# Altium PCB PCB1.PcbDoc (part 1 of 2) (continued)
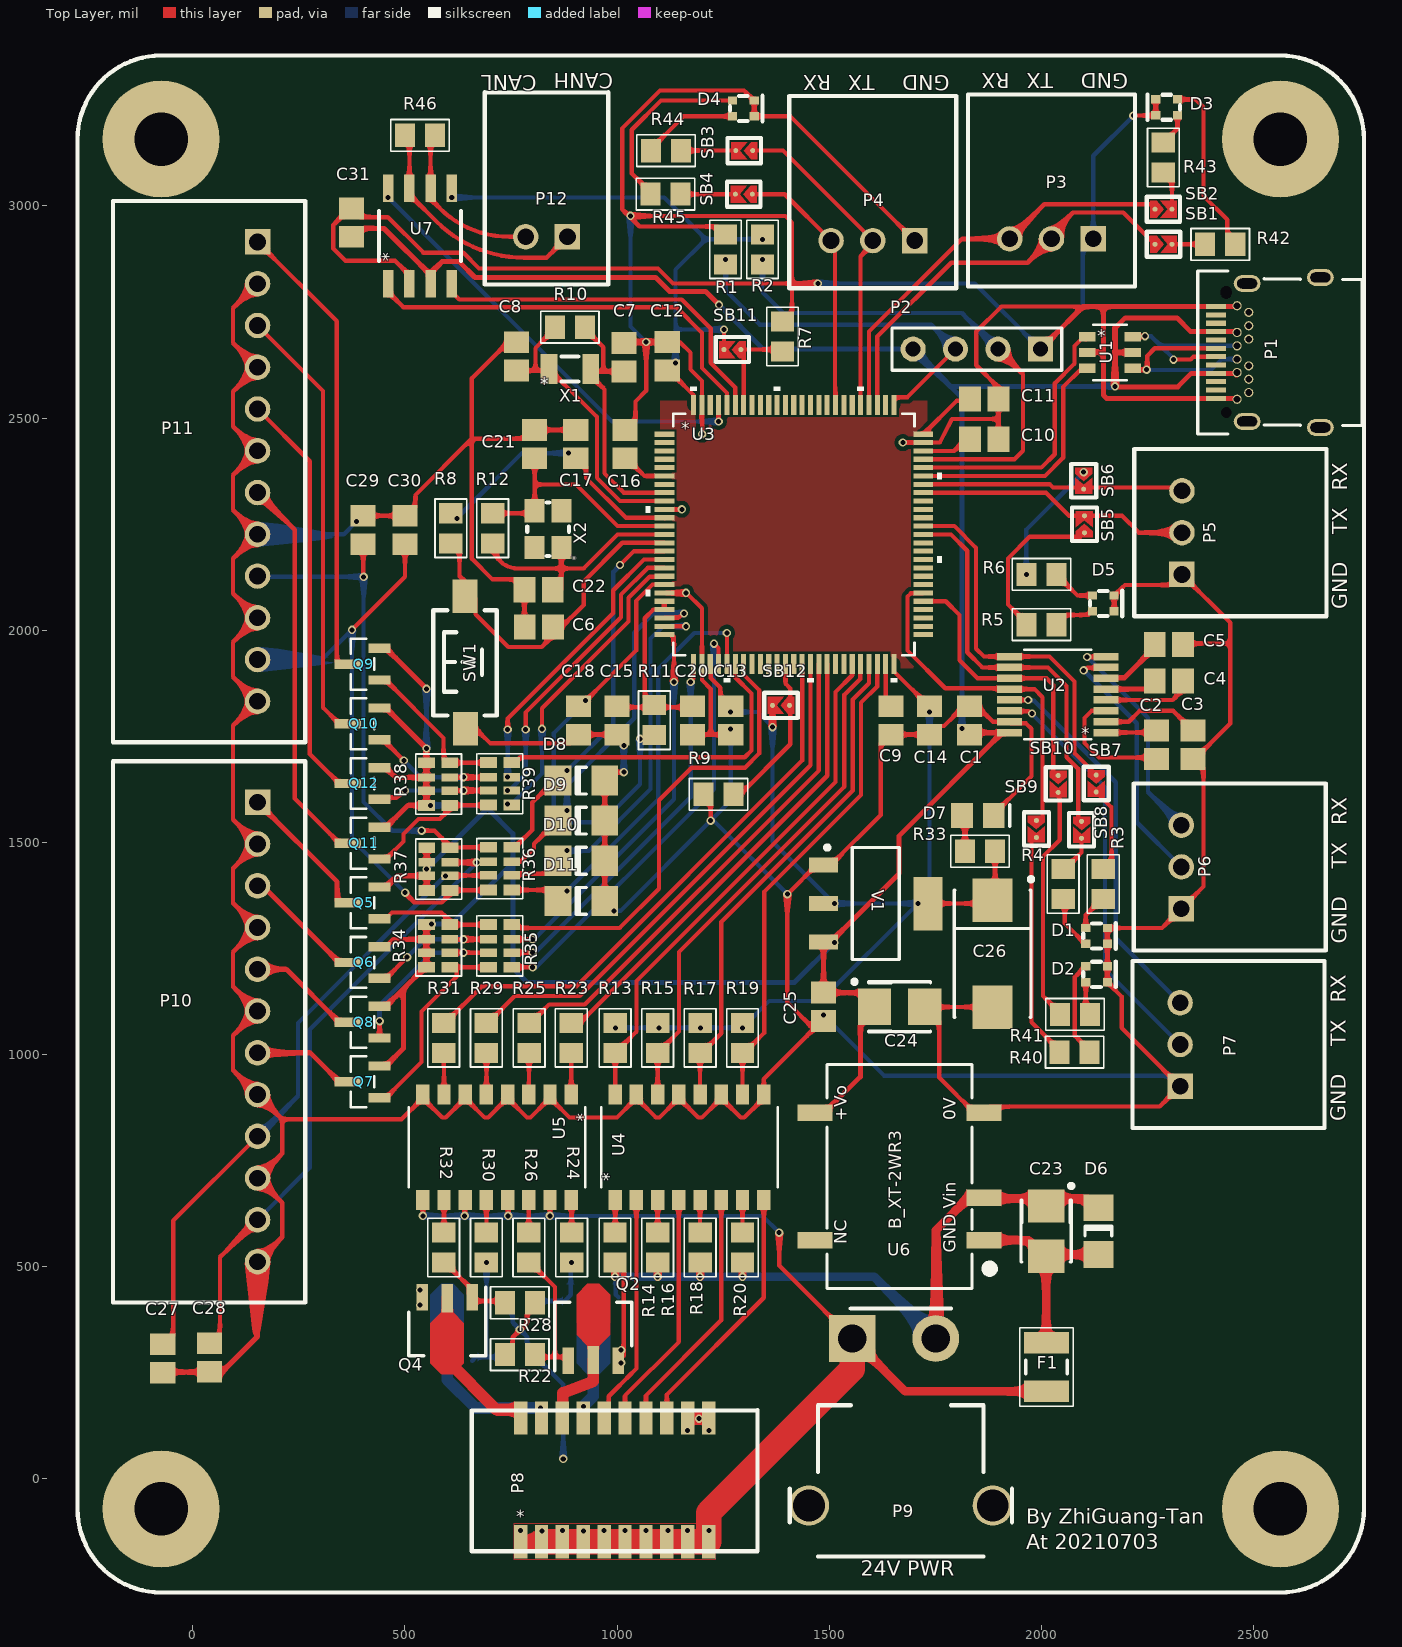
[diagram p0: Top Layer view]
## Footprints (in the part's own frame and the unit in brackets; to place one, negate y for a bottom-side part, rotate by r counter-clockwise, add the part's x,y. Pads: shape width x height; smd on the part's side, far side on the other; paste and mask are expansions set on the pad)
B_XT-2WR3 [mm]
  rect 1x2.1 smd: 1(-3.81,-5.05) 2(-1.27,-5.05) 4(3.81,-5.05) 5(3.81,5.05) 8(-3.81,5.05)
  silkscreen extent -6.7,-5.64 6.7,4.35, body extent -6.6,-5.75 6.6,5.65, height 7.2
"CAP 0805" [mm] "Chip Capacitor, Body 2.0x1.3mm, IPC Medium Density"
  rect 1.3x1.5 smd: 1(-0.85,0) 2(0.85,0)
  body extent -1,-0.61 1,0.61, height 0.51
CD2012-0805 [mm] "Chip Diode; Body 2.0 x 1.3 mm (LxW typ)"
  rect 1.3x1.5 smd: 1(-0.95,0) 2(0.95,0)
  silkscreen extent 1.9,-0.65 1.9,0.65, body extent -1,-0.63 1,0.63, height 0.8
CD3216-1206 [mm] "Chip Diode; Body 3.2 x 1.6 mm (LxW typ)"
  rect 1.6x1.8 smd: 1(-1.4,0) 2(1.4,0)
  silkscreen extent -0.3,-0.8 0.3,0.8, body extent -1.62,-0.82 1.65,0.83, height 0.9
HDR1X4 [mm]
  rect 1.5x1.5 hole 0.9: 1(0,0)
  round 1.5 hole 0.9: 2(2.54,0) 3(5.08,0) 4(7.62,0)
  silkscreen extent -1.27,-1.27 8.89,1.27
LED-1615 [mm] "Two seperate LEDs packed together"
  rect 0.5x0.55 smd: 1(-0.475,-0.65) 2(0.475,-0.65) 3(0.475,0.65) 4(-0.475,0.65)
  silkscreen extent -0.76,-1.14 0.76,0.8
LQFP100-14×14mm [mil]
  rect 47x12 smd paste+0 mask+0: 1(-305.12,236.22) 2(-305.12,216.54) 3(-305.12,196.85) 4(-305.12,177.17) 5(-305.12,157.48) 6(-305.12,137.8) 7(-305.12,118.11) 8(-305.12,98.43) 9(-305.12,78.74) 10(-305.12,59.06) 11(-305.12,39.37) 12(-305.12,19.69) 13(-305.12,0) 14(-305.12,-19.69) 15(-305.12,-39.37) 16(-305.12,-59.06) 17(-305.12,-78.74) 18(-305.12,-98.43) 19(-305.12,-118.11) 20(-305.12,-137.8) 21(-305.12,-157.48) 22(-305.12,-177.17) 23(-305.12,-196.85) 24(-305.12,-216.54) 25(-305.12,-236.22) 51(305.12,-236.22) 52(305.12,-216.54) 53(305.12,-196.85) 54(305.12,-177.17) 55(305.12,-157.48) 56(305.12,-137.8) 57(305.12,-118.11) 58(305.12,-98.43) 59(305.12,-78.74) 60(305.12,-59.06) 61(305.12,-39.37) 62(305.12,-19.69) 63(305.12,0) 64(305.12,19.69) 65(305.12,39.37) 66(305.12,59.06) 67(305.12,78.74) 68(305.12,98.43) 69(305.12,118.11) 70(305.12,137.8) 71(305.12,157.48) 72(305.12,177.17) 73(305.12,196.85) 74(305.12,216.54) 75(305.12,236.22)
  rect 12x47 smd paste+0 mask+0: 26(-236.22,-305.12) 27(-216.54,-305.12) 28(-196.85,-305.12) 29(-177.17,-305.12) 30(-157.48,-305.12) 31(-137.8,-305.12) 32(-118.11,-305.12) 33(-98.43,-305.12) 34(-78.74,-305.12) 35(-59.06,-305.12) 36(-39.37,-305.12) 37(-19.68,-305.12) 38(0,-305.12) 39(19.68,-305.12) 40(39.37,-305.12) 41(59.06,-305.12) 42(78.74,-305.12) 43(98.43,-305.12) 44(118.11,-305.12) 45(137.8,-305.12) 46(157.48,-305.12) 47(177.17,-305.12) 48(196.85,-305.12) 49(216.54,-305.12) 50(236.22,-305.12) 76(236.22,305.12) 77(216.54,305.12) 78(196.85,305.12) 79(177.17,305.12) 80(157.48,305.12) 81(137.8,305.12) 82(118.11,305.12) 83(98.43,305.12) 84(78.74,305.12) 85(59.06,305.12) 86(39.37,305.12) 87(19.68,305.12) 88(0,305.12) 89(-19.68,305.12) 90(-39.37,305.12) 91(-59.06,305.12) 92(-78.74,305.12) 93(-98.43,305.12) 94(-118.11,305.12) 95(-137.8,305.12) 96(-157.48,305.12) 97(-177.17,305.12) 98(-196.85,305.12) 99(-216.54,305.12) 100(-236.22,305.12)
  silkscreen extent -349,-349 349,349, body extent -315,-315 315,315, height 63
"MOLEX 53426-0210" [mil]
  rect 60x60 hole 39.37: 1(-49.21,0)
  round 60 hole 39.37: 2(49.21,0)
  silkscreen extent -146,-341 146,112
"MOLEX 53426-0310" [mil]
  rect 60x60 hole 39.37: 1(-98.43,0)
  round 60 hole 39.37: 2(0,0) 3(98.43,0)
  silkscreen extent -197,-341 197,112
"MOLEX 53426-1210" [mil]
  rect 60x60 hole 39.37: 1(-541.34,0)
  round 60 hole 39.37: 2(-442.91,0) 3(-344.49,0) 4(-246.06,0) 5(-147.64,0) 6(-49.21,0) 7(49.21,0) 8(147.64,0) 9(246.06,0) 10(344.49,0) 11(442.91,0) 12(541.34,0)
  silkscreen extent -638,-341 638,112
"MOLEX 505448-2071" [mm]
  rect 0.8x2 smd: 1(-5.625,-3.7) 2(-5.625,3.7) 2(-5.625,3.7) 3(-4.375,-3.7) 4(-4.375,3.7) 5(-3.125,-3.7) 6(-3.125,3.7) 7(-1.875,-3.7) 8(-1.875,3.7) 9(-0.625,-3.7) 10(-0.625,3.7) 11(0.625,-3.7) 12(0.625,3.7) 13(1.875,-3.7) 14(1.875,3.7) 15(3.125,-3.7) 16(3.125,3.7) 17(4.375,-3.7) 18(4.375,3.7) 19(5.625,-3.7) 20(5.625,3.7)
  silkscreen extent -8.55,-4.28 8.55,4.17, body extent -8.57,-4.5 8.53,4.35, height 8.98
"RES 0603 4PACK" [mm] "8P4R"
  rect 1x0.65 smd: 1(-0.7,1.275) 4(-0.7,-1.275) 5(0.7,-1.275) 8(0.7,1.275)
  rect 1x0.5 smd: 2(-0.7,0.4) 3(-0.7,-0.4) 6(0.7,-0.4) 7(0.7,0.4)
  silkscreen extent -1.4,-1.8 1.35,1.8, body extent -0.65,-1.5 0.45,1.5, height 0.4
"RES 0805" [mm] "Chip Resistor, Body 2.0x1.3mm, IPC Medium Density"
  rect 1.2x1.4 smd: 1(-0.9,0) 2(0.9,0)
  silkscreen extent -1.75,-0.95 1.75,0.95, body extent -1,-0.62 1,0.62, height 0.5
"RES 1210" [mm] "Chip Resistor, Body 3.2x2.5mm, IPC Medium Density"
  rect 1.3x2.7 smd: 1(-1.45,0) 2(1.45,0)
  silkscreen extent -2.35,-1.6 2.35,1.6, body extent -1.68,-1.32 1.68,1.32, height 0.71
SO-8 [mil]
  rect 65x25 smd: 1(-112.2,75) 2(-112.2,25) 3(-112.2,-25) 4(-112.2,-75) 5(112.2,-75) 6(112.2,-25) 7(112.2,25) 8(112.2,75)
  silkscreen extent -59,-96 59,96
SO-16 [mm]
  rect 1.2x0.8 smd paste+0 mask+0: 1(-3.15,4.445) 2(-3.15,3.175) 3(-3.15,1.905) 4(-3.15,0.635) 5(-3.15,-0.635) 6(-3.15,-1.905) 7(-3.15,-3.175) 8(-3.15,-4.445) 9(3.15,-4.445) 10(3.15,-3.175) 11(3.15,-1.905) 12(3.15,-0.635) 13(3.15,0.635) 14(3.15,1.905) 15(3.15,3.175) 16(3.15,4.445)
  silkscreen extent -2.4,-5.28 2.4,5.28, body extent 0,0 0.25,0.25, height 0.25
"Solder Bridge" [mm]
  round 0.3 smd: 1(-0.508,0) 2(0.508,0)
  Top Layer region: -0.787,0.508 0.178,0.508 -0.254,0 0.178,-0.508 -0.787,-0.508
  Top Layer region: 0.787,-0.508 0.406,-0.508 -0.025,0 0.406,0.508 0.787,0.508
  silkscreen extent -1,-0.75 1,0.75
SOT23-3 [mil]
  rect 22x52 smd: 1(-37.4,-37.38) 2(37.4,-37.38)
  rect 22x62.5 smd: 3(0,37.38)
  silkscreen extent -60,-25 60,30, body extent -60,-52 60,52, height 44
SOT23-6L_STM [mm]
  rect 0.972x0.558 smd paste+0 mask+0: 1(-1.362,0.95) 2(-1.362,0) 3(-1.362,-0.95) 4(1.362,-0.95) 5(1.362,0) 6(1.362,0.95)
  silkscreen extent -1,-1.65 1,1.65, body extent -1.5,-1.52 1.5,1.52, height 1.45
SOT-89 [mm]
  rect 1.6x0.7 smd paste+0 mask+0.051: 1(-1.9,1.5) 3(-1.9,-1.5)
  rect 1.7x0.7 smd paste+0 mask+0.051: 2(-1.85,0)
  Top Layer region: -1.2,0.35 -1,0.35 -0.35,1 2.05,1 2.7,0.35 2.7,-0.35 2.05,-1 -0.35,-1 -1,-0.35 -1.2,-0.35
  silkscreen extent -2.5,-2.3 1.6,2.3, body extent 0,0 0.25,0.25, height 0.25
SOT-223 [mm]
  rect 1.75x0.9 smd paste+0 mask+0.051: 1(-3.125,2.3) 2(-3.125,0) 3(-3.125,-2.3)
  rect 1.75x3.2 smd paste+0 mask+0.051: 4(3.125,0)
  silkscreen extent -3.02,-3.35 1.4,3.47, body extent -3.51,-3.25 3.51,3.25, height 1.65
TC3528-1411 [mm] "Capacitor, SM Tantalum; Body 3.5 x 2.8 mm (LxW typ)"
  rect 2x2.2 smd: 1(-1.5,0) 2(1.5,0)
  silkscreen extent -2.82,-1.5 1.85,1.63, body extent -1.75,-1.4 1.75,1.4, height 2.1
TC7343-2917 [mm] "Capacitor, SM Tantalum; Body 7.3 x 4.3 mm (LxW typ)"
  rect 2.6x2.4 smd: 1(-3.2,0) 2(3.2,0)
  silkscreen extent -4.57,-2.3 3.8,2.43, body extent -3.8,-1.97 3.8,1.98, height 3.1
TSSOP-16 [mm]
  rect 1.5x0.45 smd paste+0: 1(-2.9,2.275) 2(-2.9,1.625) 3(-2.9,0.975) 4(-2.9,0.325) 5(-2.9,-0.325) 6(-2.9,-0.975) 7(-2.9,-1.625) 8(-2.9,-2.275) 9(2.9,-2.275) 10(2.9,-1.625) 11(2.9,-0.975) 12(2.9,-0.325) 13(2.9,0.325) 14(2.9,0.975) 15(2.9,1.625) 16(2.9,2.275)
  silkscreen extent -2,-2.68 2,2.68, body extent -3.15,-2.43 3.4,2.68, height 1.09
"TSW SMD-3*6*2.5" [mm] "3*6*2.5mm"
  rect 2x1.5 smd: 1(-3.996,-0.02) 2(3.937,0)
  silkscreen extent -3.21,-1.9 3.09,1.9, body extent -4,-1.88 4,1.62, height 2.59
"USB Type-C 24P" [mm] "Connector, Receptacle, USB Type C, R/A"
  round 0.152 hole 0.65: 3(-3.6,2.515)
  round 0.152 hole 0.65 slot 0.762 at 0 deg: 3(3.6,2.515)
  rect 0.3x1.2 smd: A1(-2.75,3.125) A2(-2.25,3.125) A3(-1.75,3.125) A4(-1.25,3.125) A5(-0.75,3.125) A6(-0.25,3.125) A7(0.25,3.125) A8(0.75,3.125) A9(1.25,3.125) A10(1.75,3.125) A11(2.25,3.125) A12(2.75,3.125)
  round 0.55 hole 0.4: B1(2.8,1.865) B2(2.4,1.165) B3(1.6,1.165) B4(1.2,1.865) B5(0.8,1.165) B6(0.4,1.865) B7(-0.4,1.865) B8(-0.8,1.165) B9(-1.2,1.865) B10(-1.6,1.165) B11(-2.4,1.165) B12(-2.8,1.865)
  rrect100% 1x1.6 hole 0.6 slot 1.2 at 90 deg: S1(-4.13,1.265) S2(-4.49,-3.125) S3(4.49,-3.125) S4(4.13,1.265)
  silkscreen extent -4.87,-5.65 4.87,4.22
XT30PW-M [mm] "接插件，2P"
  round 2.4 hole 1.9: 0(-5.5,5) 0(5.5,5)
  rect 2.8x2.8 hole 1.7: 1(2.904,-5)
  round 2.8 hole 1.7: 2(-2.095,-5)
  silkscreen extent -6.65,-6.8 6.65,8.05
"XTAL 3215" [mm] "Quartz Crystal, SM; Body 3.2×1.5×0.8 mm (L×W×H typ.)"
  rect 1x1.8 smd: 1(-1.25,0) 2(1.25,0)
  silkscreen extent -0.5,-0.75 0.5,0.75, body extent -1.6,-0.75 1.6,0.75, height 0.81
"XTAL 3225" [mm] "Quartz Crystal, SM; Body 3.2×2.5×0.75 mm (L×W×H typ.)"
  rect 1.4x1.2 smd: 1(-1.1,-0.8) 2(1.1,-0.8) 3(1.1,0.8) 4(-1.1,0.8)
  silkscreen extent -1.6,-1.25 1.6,1.25

## Part data
C1 C2 C3 C4 C5 C6 C7 C8 C9 C10 C11 C12 C13 C14 C15 C16 C17 C18 C20 C21 C22 C25 C27 C28 C29 C30 C31: library part Cap, "Non-polar capacitor", LatestRevisionDate=17-Jul-2002, LatestRevisionNote="Re-released for DXP Platform.", PackageDescription="Radial Cap, Thru-Hole; 2 Leads; 0.3 in Pin Spacing", PackageReference=RAD-0.3, Published=8-Jun-2000, Publisher="Altium Limited"
C23 C24 C26: library part "Cap Pol", "Capacitor", PackageDescription="Capacitor; 2 Leads", PackageReference=CAPR5-4X5, Published=23-Sep-2002, Publisher="Altium Limited"
D1 D2 D3 D4 D5: "Two seperate LEDs packed together."
D8 D9 D10 D11: library part DZ, "Zener Diode", LatestRevisionDate=17-Jul-2002, LatestRevisionNote="Re-released for DXP Platform.", PackageDescription="Diode, Thru-Hole; 2 Leads; 0.7 in Pin Spacing", PackageReference=DIODE-0.7, Published=8-Jun-2000, Publisher="Altium Limited"
P2: "Header, 4-Pin", LatestRevisionDate=17-Jul-2002, LatestRevisionNote="Re-released for DXP Platform.", Publisher="Altium Limited"
P3 P4 P5 P6 P7: "Header, 3-Pin", LatestRevisionDate=17-Jul-2002, LatestRevisionNote="Re-released for DXP Platform.", Publisher="Altium Limited"
P8: library part "Header 10X2", "Header, 32-Pin", LatestRevisionDate=17-Jul-2002, LatestRevisionNote="Re-released for DXP Platform.", Publisher="Altium Limited"
P9 P12: "Header, 2-Pin", LatestRevisionDate=17-Jul-2002, LatestRevisionNote="Re-released for DXP Platform.", Publisher="Altium Limited"
P10 P11: "Header, 12-Pin", LatestRevisionDate=17-Jul-2002, LatestRevisionNote="Re-released for DXP Platform.", Publisher="Altium Limited"
Q1 Q2 Q3 Q4: "PNP Bipolar Transistor (for SOT23-3 only).", LatestRevisionDate=29-May-2009, LatestRevisionNote="IPC-7351 Footprint Added.", PackageDescription="3-Pin SOT-23 Package 0.95 mm Pitch, 2.4 mm Lead Span", PackageReference=SOT-23B, PackageVersion=Aug-1999, Published=8-Jun-2000, Publisher="Altium Limited"
Q5 Q6 Q7 Q8 Q9 Q10 Q11 Q12: "P-Channel MOSFET", LatestRevisionDate=17-Jul-2002, LatestRevisionNote="Re-released for DXP Platform.", PackageDescription="TO, Flat Index; 3 In-Line, Axial Leads; Body Dia. 4.6mm; Lead Dia. 0.5 mm (max)", PackageReference=E3, PackageVersion=1995/1996, Published=8-Jun-2000, Publisher="Altium Limited"
R1 R2 R3 R4 R5 R6 R40 R41 R42 R43 R44 R45 R46: library part Res, "Resistor", LatestRevisionDate=17-Jul-2002, LatestRevisionNote="Re-released for DXP Platform.", PackageDescription="Axial Device, Thru-Hole; 2 Leads; 0.4 in Pin Spacing", PackageReference=AXIAL-0.4, Published=8-Jun-2000, Publisher="Altium Limited"
R7 R8 R9 R10 R11 R12 R13 R14 R15 R16 R17 R18 R19 R20 R21 R22 R23 R24 R25 R26 R27 R28 R29 R30 R31 R32 R33: library part Res, LatestRevisionDate=17-Jul-2002, LatestRevisionNote="Re-released for DXP Platform.", PackageDescription="Axial Device, Thru-Hole; 2 Leads; 0.4 in Pin Spacing", PackageReference=AXIAL-0.4, Published=8-Jun-2000, Publisher="Altium Limited"
R34 R35 R36 R37 R38 R39: library part "Res 4Pack"
SW1: library part BTN, BOM名称=3x6, 学习资源=https://lmdzstyle.ta
U2: "3-V to 5.5-V Multichannel RS-232 Line Driver/Receiver", Manufacturer="Texas Instruments", PACKAGE_DESIGNATOR=PW, Copyright="Copyright (C) 2021 Accelerated Designs. All rights reserved", Datasheet_URL=http://www.ti.com/lit/gpn/MAX3232, FAMILY_NAME=RS-232, GENERIC_PART_NUMBER=MAX3232, INDUSTRY_STD_PKG_TYPE=TSSOP, Manufacturer_Part_Number=MAX3232CPW, PIN_COUNT=16, RefDes=RefDes, Type=DEV, Vendor="Texas Instruments"
U3: "No Description Available", Built_By=EMA_UL_Team, Copyright="Copyright (C) 2018 Accelerated Designs. All rights reserved", Manufacturer_Part_Number=STM32F417VGT6, RefDes=RefDes, SourceLibrary=Updates_to_database_2020-10-19, Type=DEV, Vendor=STMicroelectronics
U4 U5: "No Description Available", Number_devices_in_Package=1, Source_Package=TLP291_4, Copyright="Copyright (C) 2018 Accelerated Designs. All rights reserved", Manufacturer_Part_Number=TLP291-4, RefDes=RefDes, SourceLibrary=Toshiba_2019-02-06, Type=DEV, Vendor=Toshiba
U7: "High-speed CAN transceiver"
V1: library part AMS1117, "三端稳压芯片", 学习资源=https://lmdzstyle.ta
X1 X2: library part XTAL, "Passive Oscillator", 学习资源=https://lmdzstyle.ta
D7: LatestRevisionDate=08-Jul-2005, LatestRevisionNote="Mech Layer 1 removed.", PackageDescription="LED; 2 Leads", PackageReference=LED-0, Published=8-Jun-2000, Publisher="Altium Limited"
F1: LatestRevisionDate=17-Jul-2002, LatestRevisionNote="Re-released for DXP Platform.", PackageDescription="Thru-Hole; 2 Leads", PackageReference=PIN-W2/E2.8, Published=8-Jun-2000, Publisher="Altium Limited"

## Free pads (board coordinates)
  round 275.59 hole 125.98: 0(-74.8,-70.87) 0(-74.8,3157.48) 0(2562.99,-70.87) 0(2562.99,3157.48)

## Via types
v1: diameter 19.68, hole 11.81, Top Layer to Bottom Layer, tented both sides, 121 vias

## Nets (pads, with @x,y where several pads share a name; then routed paths per layer and width w, separated by ;. In a path a pad name is that pad's centre, name@x,y a point inside that pad or via, vN(x,y) a via of type N, cw(c..) or ccw(c..) an arc to the next point about the centre after c; other vN are vias at no path point)
+3V3: C11.1 C12.1 C13.1 C14.1 C16.2 C17.2 C18.2 C26.1 R2.2 R8.2 R11.1 R13.2 R15.2 R17.2 R19.2 R33.1 SB11.1 SB12.1 U3.6 U3.11 U3.19 U3.28 U3.50 U3.75 U3.100 U7.5 V1.2 V1.4 | length 6000.1
  Top Layer w10: C17.2@902.46,2405.17 906.4,2405.17 926.99,2384.58 926.99,2358.91 1020.84,2265.06 U3.11@1111.2,2265.06 U3.11@1112.2,2264.06 ; C18.2@933.98,1841.46 1044.87,1952.35 1044.87,2068.9 1083.54,2107.58 U3.19@1111.2,2107.58 ; C16.2@1018.69,2405.17 1022.63,2405.17 1064.31,2363.48 U3.6@1111.2,2363.48 ; v1(1053.8,1744.09) 1079.17,1744.09 R11.1@1087.62,1752.54 ; C12.1@1118.11,2612.2 1122.05,2612.2 1179.1,2555.15 1179.1,2531.8 U3.100@1180.1,2530.8 ; U3.28@1219.47,1920.57 1220.47,1919.57 1220.47,1887.26 1243.19,1864.54 1243.19,1841.46 1263.78,1820.87 C13.1@1267.72,1820.87 ; SB11.1@1251.65,2661.42 1251.81,2661.57 1251.81,2708.5 v1(1251.97,2708.66) ; v1(1366.14,1771.65) SB12.1@1366.14,1822.83 ; V1.2@1486.38,1355.87 1503.11,1355.87 V1.2@1515.83,1368.59 ; U3.50@1652.54,1920.57 1652.54,1903.07 1711.69,1843.92 1711.69,1841.46 C14.1@1732.28,1820.87 ; v1(1708.66,1355.87) V1.4@1732.44,1355.87 1876.87,1355.87 C26.1@1884.83,1363.83 1890.76,1369.76 R33.1@1890.76,1479.01 ; U3.75@1721.44,2461.91 1800.13,2540.6 1831.68,2540.6 C11.1@1831.68,2544.54
  Bottom Layer w10: v1(610.24,3019.69) 1110.95,3019.69 1209.37,2921.26 ; v1(622.05,2263.78) 775.59,2417.32 v1(885.83,2417.32) ; v1(925.2,1834.65) 925.2,1832.02 850.84,1757.66 850.84,1566.49 870.08,1547.24 964.09,1547.24 1053.8,1636.96 v1(1053.8,1744.09) ; v1(996.06,1062.99) v1(1098.43,1062.99) v1(1196.85,1062.99) v1(1295.28,1062.99) 1358.27,1125.98 1478.77,1125.98 v1(1708.66,1355.87) ; v1(1137.8,2629.92) 1137.8,2708.66 ; v1@1251.65,2708.35 v1(1251.97,2708.66) 1137.8,2708.66 ; v1(1267.72,1807.09) 1330.71,1807.09 v1(1366.14,1771.65) 1366.14,1501.54 v1(1511.81,1355.87) v1(1708.66,1355.87) ; v1(1342.52,2921.26) 1209.37,2921.26 ; v1(1736.22,1807.09) 1736.22,1383.43 v1(1708.66,1355.87) ; 1137.8,2708.66 1137.8,2849.68 1209.37,2921.26
+5V: C1.2 C24.1 C25.2 C31.1 P1.A4 P1.A9 P1.B4 P1.B9 P2.4 Q5.2 Q6.2 Q7.2 Q8.2 Q9.2 Q10.2 Q11.2 Q12.2 R34.5 R34.6 R34.7 R34.8 R37.5 R37.6 R37.7 R37.8 R38.5 R38.6 R38.7 R38.8 U1.5 U2.16 U6.5 U7.3 V1.3 | length 8414.6
  Top Layer w10: P1.B4@2459.96,2701.46 P1.B4@2461.02,2700.39
  Top Layer w11.81: C31.1@374.02,2927.17 393.7,2946.85 450.51,2946.85 U7.3@560.43,2836.93 ; Q7.2@440.19,973.16 455.19,973.16 496.06,1014.03 496.06,1154.64 ; Q8.2@440.19,1113.77 455.19,1113.77 496.06,1154.64 ; Q6.2@440.19,1254.37 455.19,1254.37 472.47,1271.65 R34.6@550.64,1271.65 ; Q5.2@440.19,1394.98 455.19,1394.98 481.48,1421.26 R37.7@551.18,1421.26 ; Q11.2@440.2,1535.58 455.2,1535.58 506.71,1587.1 R38.8@550.64,1587.1 R38.7@550.64,1621.55 R38.6@550.64,1653.05 ; Q12.2@440.2,1676.19 455.2,1676.19 478.34,1653.05 R38.6@550.64,1653.05 ; Q10.2@440.2,1816.79 455.2,1816.79 v1(550.64,1721.35) 550.64,1694.38 543.75,1687.49 R38.5@550.64,1687.49 R38.6@550.64,1653.05 ; Q9.2@440.2,1957.4 455.2,1957.4 v1(550.64,1861.95) ; R34.5@550.64,1306.1 R34.6@550.64,1271.65 ; R37.8@551.18,1386.81 R37.7@551.18,1421.26 ; R37.5@551.18,1487.2 R37.6@551.18,1452.76 v1(551.18,1437.01) R37.7@551.18,1421.26 ; U7.3@560.43,2816.93 U7.3@560.43,2836.93 ; v1(1240.16,2766.72) 1208.59,2798.28 1123.8,2798.28 1090.8,2831.28 665.26,2831.28 628.08,2868.47 587.14,2868.47 560.43,2841.76 U7.3@560.43,2836.93 ; U6.5@1466.54,862.6 1488.19,862.6 1573.09,947.5 1573.09,1079.02 C24.1@1606.56,1112.49 1573.09,1145.95 C25.2@1486.38,1145.95 V1.3@1486.38,1265.32 1503.11,1265.32 1664.53,1426.74 1664.53,1515.53 U2.16@1907.8,1758.79 ; C1.2@1833.5,1759.8 1834.5,1758.79 U2.16@1907.8,1758.79 ; U2.16@1924.19,1758.79 U2.16@1907.8,1758.79 ; v1(2173.23,2574.8) 2173.23,2573.48 2321.55,2573.48 2353.37,2605.3 P1.A4@2411.42,2605.3 2457.69,2605.3 2461.02,2601.97 2458.36,2601.97 P1.B9@2456.39,2603.94 ; 2173.23,2654.51 U1.5@2215.06,2654.51 ; 2173.23,2711.63 2197.82,2736.22 2319.23,2736.22 2351.73,2703.72 P1.A9@2411.42,2703.72 2455.03,2703.72 2457.3,2701.46 P1.B4@2459.96,2701.46 ; 496.06,1154.64 536.86,1195.43 536.86,1198.82 543.75,1205.71 R34.8@550.64,1205.71 R34.7@550.64,1240.16 R34.6@550.64,1271.65
  Top Layer w15: v1(2173.23,2574.8) 2173.23,2654.51 2173.23,2711.63
  Bottom Layer w11.81: v1(550.64,1721.35) v1(550.64,1861.95) ; v1(551.18,1437.01) 694.45,1580.27 ; v1(560.48,1586.61) 688.1,1586.61 694.45,1580.27 ; v1(562.99,1307.09) 609.06,1307.09 754.29,1452.31 ; v1(1240.16,2766.72) 1344.49,2662.38 P2.4@1697.64,2662.38 1786.54,2573.48 ; v1(1511.81,1263.78) 1417.61,1169.58 788.1,1169.58 754.29,1203.39 754.29,1452.31 ; v1(1812.99,1768.29) 1812.99,2547.03 1786.54,2573.48 ; v1(2173.23,2574.8) 1787.86,2574.8 1786.54,2573.48 ; 694.45,1580.27 754.29,1520.43 754.29,1452.31
+24V: C23.1 D6.2 P8.18 P8.20 P9.2 Q1.3 Q2.3 Q3.3 Q4.3 R14.2 R16.2 R18.2 R20.2 R21.2 R22.2 R27.2 R28.2 U6.2 | length 2515.5
  Top Layer w10: R22.2@735.22,292.96 753.84,311.58 753.84,333.16 787.46,366.78 787.46,396.39 R28.2@806.09,415.01 ; R14.2@999,509.5 1015.75,492.75 Q2.3@1015.75,289.91
  Top Layer w20: v1(995.06,476.03) R14.2@995.06,509.5 R14.2@999,509.5 ; Q2.3@1002.94,278.2 1002.94,286.14 Q2.3@1006.72,289.91 ; v1(1095.46,476.03) R16.2@1095.46,509.5 ; v1(1195.46,476.03) R18.2@1195.46,509.5 ; v1(1295.46,476.03) R20.2@1295.46,509.5 ; P9.2@1750.97,330.84 1750.97,585.67 1827.9,662.6 U6.2@1864.17,662.6 ; U6.2@1864.17,660.28 D6.2@2109.22,660.28
  Top Layer w30: P8.18@1166.32,143.35 P8.20@1215.54,143.35
  Bottom Layer w10: R21.2@735.22,415.01 753.84,396.39 753.84,368.83 v1(770.65,352.02) 787.46,335.2 787.46,311.58 R27.2@806.09,292.96 806.09,289.02 873.02,222.09 v1(873.02,47.24) ; v1(995.06,476.03) 996.92,474.18 996.92,433.83 Q1.3@1002.94,427.81
  Bottom Layer w20: v1(995.06,476.03) v1(1095.46,476.03) v1(1195.46,476.03) v1(1295.46,476.03) 1605.77,476.03 P9.2@1750.97,330.84
  other v1: 1165.35,114.17 1216.54,114.17 1192.91,141.73 1009.37,273.28 1009.37,303.15 535.43,409.45 535.43,444.88
_A_AWO: P10.5 Q8.3 | length 264.5
  Top Layer w11.81: P10.5@152.54,1200.91 220.65,1200.91 345.19,1076.37 Q8.3@365.44,1076.37
_A_CS: P10.7 Q7.3 | length 241.2
  Top Layer w11.81: P10.7@152.54,1004.06 276.89,1004.06 345.19,935.76 Q7.3@365.44,935.76
_A_DIR: P10.3 Q6.3 | length 287.8
  Top Layer w11.81: P10.3@152.54,1397.76 164.4,1397.76 345.19,1216.97 Q6.3@365.44,1216.97
_A_PLS: P10.1 Q5.3 | length 337.1
  Top Layer w11.81: P10.1@152.54,1594.61 340.1,1407.06 340.1,1362.67 345.19,1357.58 Q5.3@365.44,1357.58
_B_AWO: P11.5 Q12.3 | length 982.6
  Top Layer w10: P11.5@152.54,2521.31 275.59,2398.26 275.59,1708.39 345.2,1638.79 Q12.3@365.45,1638.79
_B_CS: P11.7 Q11.3 | length 926.3
  Top Layer w10: P11.7@152.54,2324.46 240.16,2236.84 240.16,1603.22 345.2,1498.18 Q11.3@365.45,1498.18
_B_DIR: P11.3 Q10.3 | length 1038.8
  Top Layer w10: P11.3@152.54,2718.16 307.09,2563.61 307.09,1817.5 345.2,1779.39 Q10.3@365.45,1779.39
_B_PLS: P11.1 Q9.3 | length 1095.1
  Top Layer w10: P11.1@152.54,2915.01 339.2,2728.36 339.2,1926 345.2,1920 Q9.3@365.45,1920
_INPUT0: P8.10 U4.2 | length 587.3
  Top Layer w10: P8.10@969.47,166.98 P8.10@969.47,143.35 980.22,154.1 980.22,194.65 1034.71,249.14 ; 1022.62,237.05 1045.46,259.89 U4.2@1045.46,657.37 U4.2@1044.67,656.58
_INPUT1: P8.12 U4.4 | length 566.5
  Top Layer w10: P8.12@1018.68,143.35 1018.68,196.11 1145.46,322.88 U4.4@1145.46,657.37
_INPUT2: P8.14 U4.6 | length 587.6
  Top Layer w10: P8.14@1067.9,143.35 1067.9,196.5 1245.46,374.06 U4.6@1245.46,657.37
_INPUT3: P8.16 U4.8 | length 608.6
  Top Layer w10: P8.16@1117.11,143.35 1117.11,198.47 1345.46,426.82 U4.8@1345.46,657.37
_NRST: C6.2 R8.1 SW1.2 U3.14 | length 804.7
  Top Layer w10: R8.1@608.17,2204.74 609.85,2204.74 628.47,2186.12 628.47,2127.77 SW1.2@653,2103.25 ; SW1.2@641.73,2099.88 666.26,2075.35 666.26,2037.66 743.29,1960.63 822.58,1960.63 857.39,1995.43 921.26,2059.31 921.26,2115.19 1012.07,2206 U3.14@1111.2,2206
_OUTPUT0: P8.8 Q1.2 | length 264.7
  Bottom Layer w27.56: v1(920.26,170.91) 943.88,194.54 Q1.2@943.88,425.84
_OUTPUT1: P8.6 Q2.2 | length 186.7
  Top Layer w27.56: P8.6@871.79,144.1 871.79,202.41 943.88,229.97 Q2.2@943.88,280.17
  Top Layer w30: P8.6@871.05,143.35 P8.6@871.79,144.1
_OUTPUT2: P8.4 Q3.2 | length 293.4
  Bottom Layer w27.56: Q3.2@599.49,280.17 599.49,233.91 666.42,166.98 v1(818.88,166.98)
_OUTPUT3: P8.2 Q4.2 | length 370.7
  Top Layer w27.56: Q4.2@599.49,425.84 599.49,279.09 715.53,163.04 770.65,163.04 772.62,165.01 P8.2@772.62,166.98
A_ALM: D10.2 R36.6 U3.24 | length 881.3
  Top Layer w10: R36.6@751.97,1422.43 755.79,1426.26 831.77,1426.26 858.27,1452.76 D10.2@858.27,1456.69 ; U3.24@1111.2,2009.15 v1(1162.38,2009.16)
  Bottom Layer w10: v1(881.89,1480.32) 933.47,1480.32 1078.71,1625.55 1078.71,1980.18 1107.68,2009.16 v1(1162.38,2009.16)
A_AWO: R35.6 U3.26 | length 887.6
  Top Layer w10: R35.6@751.97,1240.16 v1(800.72,1240.16) ; v1(1173.23,1877.95) 1173.23,1880.57 1179.1,1886.45 1179.1,1919.57 U3.26@1180.1,1920.57
  Bottom Layer w10: v1@803.15,1240.16 807.09,1240.16 1173.23,1606.29 v1(1173.23,1877.95)
A_CS: R35.5 U3.29 | length 1046
  Top Layer w10: R35.5@751.97,1205.71 v1(800.72,1205.71) ; v1(1228.35,1968.5) 1239.16,1957.69 U3.29@1239.16,1920.57
  Bottom Layer w10: v1(800.72,1205.71) 809.13,1205.71 1228.35,1624.92 v1(1228.35,1968.5)
A_DIR: R35.7 U3.25 | length 923.7
  Top Layer w10: R35.7@751.97,1271.65 v1(800.72,1271.65) ; U3.25@1111.2,1989.47 1128.7,1989.47 1133.86,1984.31 v1(1133.86,1877.95)
  Bottom Layer w10: v1@803.15,1271.65 803.99,1271.65 1133.86,1601.52 v1(1133.86,1877.95)
A_PLS: R35.8 U3.32 | length 1104.6
  Top Layer w10: R35.8@751.97,1306.1 759.76,1298.31 1005.97,1298.31 1098.43,1390.77 1098.43,1599.22 1175.2,1676 1301.36,1676 1334.65,1709.28 1334.65,1858.76 1299.21,1894.2 1299.21,1919.57 U3.32@1298.21,1920.57
A_TIM: D9.2 R36.7 U3.23 | length 833.9
  Top Layer w10: R36.7@751.97,1453.93 771.75,1453.93 803.99,1486.17 803.99,1496.9 D9.2@858.27,1551.18 ; D9.2@860.48,1533.73 D9.2@860.48,1543.31 ; U3.23@1111.2,2028.84 1112.2,2029.84 1145.33,2029.84 1154.86,2039.37 v1(1157.48,2039.37)
  Bottom Layer w10: v1(881.89,1574.8) 881.89,1634.16 1040.34,1792.61 1040.34,1994.14 1085.57,2039.37 v1(1157.48,2039.37)
B_ALM: D8.2 R36.8 U3.15 | length 865.5
  Top Layer w10: R36.8@751.97,1488.38 758.86,1488.38 799.8,1529.32 799.8,1594.1 851.37,1645.67 D8.2@860.48,1645.67 ; v1(1006.87,2153.54) 1039.65,2186.32 U3.15@1111.2,2186.32
  Bottom Layer w10: v1(881.89,1669.29) 990.87,1778.27 990.87,2137.53 v1(1006.87,2153.54)
B_AWO: R39.6 U3.17 | length 702.6
  Top Layer w10: v1(784.45,1766.09) 784.45,1806.25 1008.87,2030.67 1008.87,2083.81 1072,2146.95 U3.17@1111.2,2146.95
  Bottom Layer w10: v1(742.13,1622.31) 743.98,1624.16 747.62,1624.16 784.45,1660.99 v1(784.45,1766.09)
B_CS: R39.5 U3.18 | length 714.2
  Top Layer w10: v1(822.83,1767.71) 822.83,1816.2 1026.87,2020.24 1026.87,2076.35 1076.77,2126.26 1110.2,2126.26 U3.18@1111.2,2127.26
  Bottom Layer w10: v1(742.13,1590.81) 751.1,1590.81 822.83,1662.55 v1(822.83,1767.71)
B_DIR: R39.7 U3.16 | length 697.5
  Top Layer w10: v1@744.76,1766.09 743.44,1767.41 v1(742.13,1766.09) 742.13,1792.01 990.87,2040.75 990.87,2094.13 1063.37,2166.63 U3.16@1111.2,2166.63
  Bottom Layer w10: v1(742.13,1653.8) v1(742.13,1766.09)
B_PLS: R39.8 U3.31 | length 801.5
  Top Layer w10: R39.8@755.82,1692.1 R39.8@751.97,1688.25 758.86,1688.25 771.39,1700.79 1300.7,1700.79 1316.65,1716.74 1316.65,1850.99 1278.53,1889.1 U3.31@1278.53,1920.57
B_TIM: D11.2 R36.5 U3.30 | length 1007.7
  Top Layer w10: R36.5@751.97,1387.99 758.3,1381.65 764.63,1387.99 832.49,1387.99 D11.2@858.27,1362.2 ; D11.2@860.48,1338.58 D11.2@860.48,1342.52 ; v1(1258.62,1993.35) 1258.73,1993.24 1258.73,1920.68 U3.30@1258.84,1920.57
  Bottom Layer w10: v1(881.89,1385.83) 1096.71,1600.65 1096.71,1908.35 1181.71,1993.35 v1(1258.62,1993.35)
CAN1_RX: U3.95 U7.4 | length 870
  Top Layer w10: U7.4@610.43,2816.93 610.43,2796.93 627.83,2779.53 1115.82,2779.53 1115.97,2779.38 1152.32,2779.38 1220.47,2711.22 1220.47,2630.1 1278.53,2572.05 U3.95@1278.53,2530.8
CAN1_TX: U3.96 U7.1 | length 993.6
  Top Layer w10: U7.1@460.43,2816.93 460.43,2796.93 495.99,2761.38 1139.2,2761.38 1199.79,2700.79 1199.79,2618.13 1258.84,2559.07 U3.96@1258.84,2530.8
CAN_S: U3.97 U7.8 | length 1036.2
  Top Layer w10: v1(1239.16,2491.91) U3.97@1239.16,2530.8
  Bottom Layer w10: v1(460.43,3019.69) 988.21,2491.91 v1(1239.16,2491.91)